# Altium PCB AFE.PcbDoc (part 1 of 2) (continued)
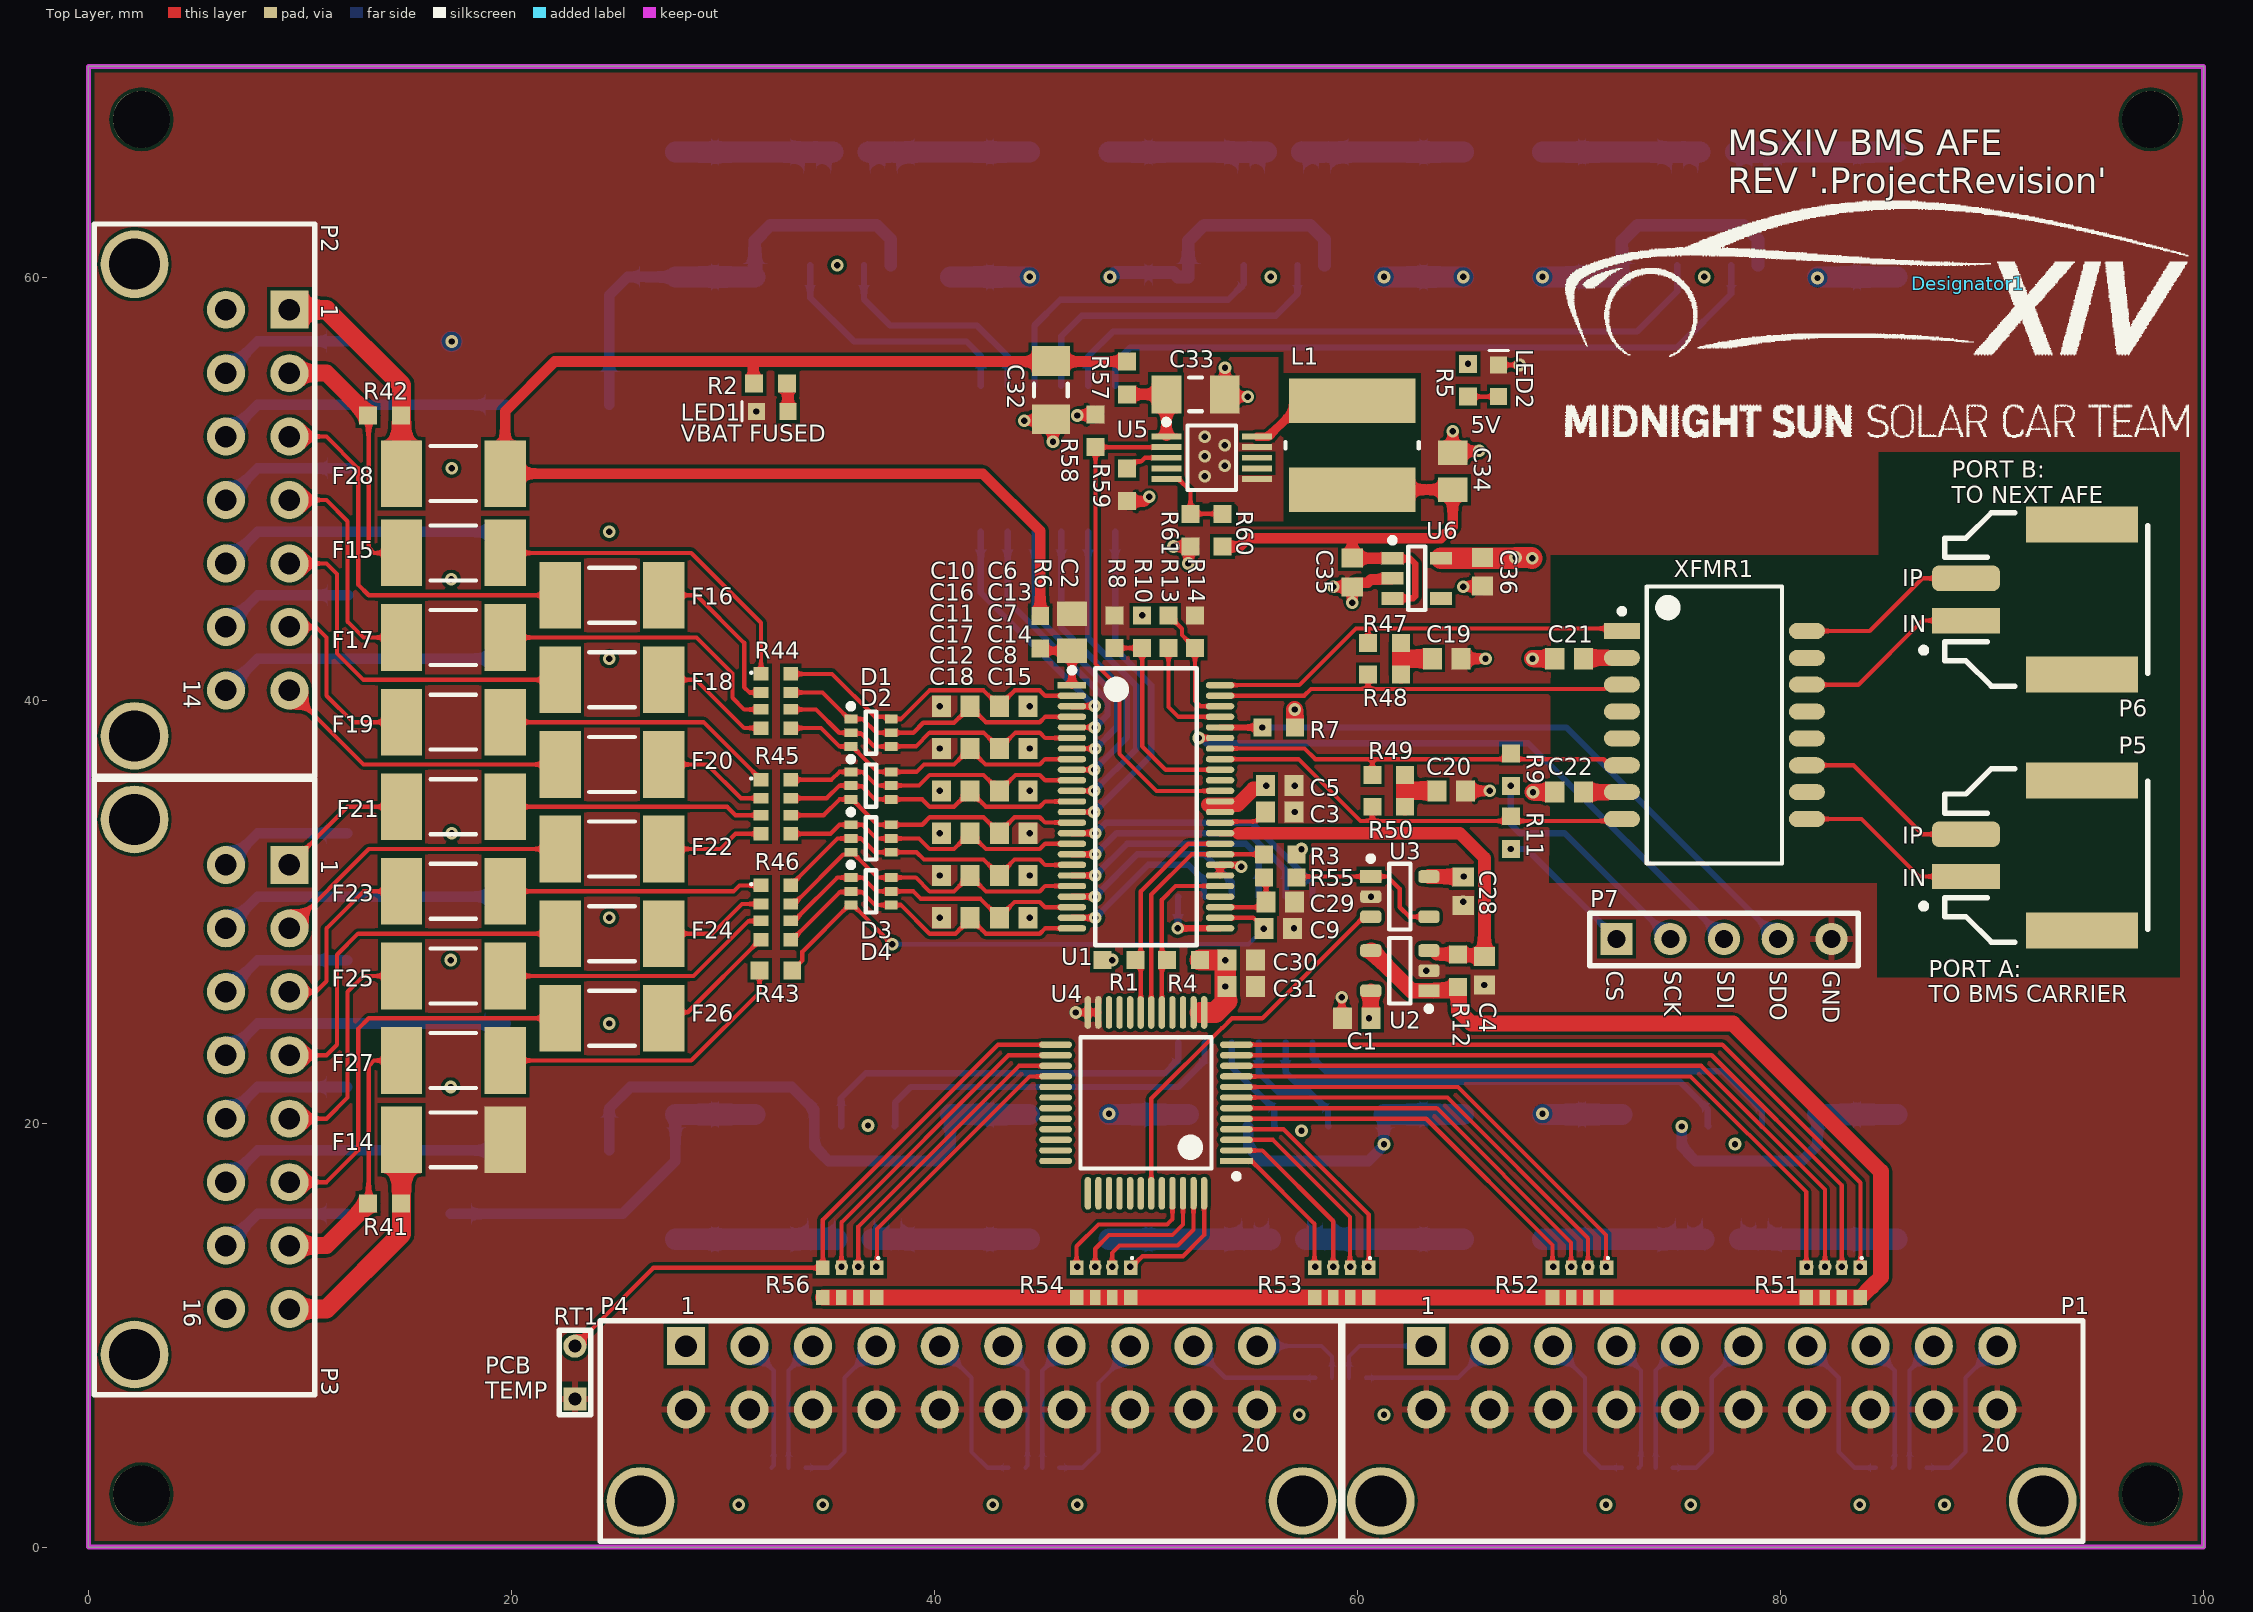
[diagram p0: Top Layer view]
## Components (designator, comment, footprint, x,y, rotation, side; value= is the part's Value field where it differs from the comment) (continued)
R32 "RES 33 OHM 5% 1.5W 2512" "RES STACKPOLE RPC2512 2512" 40.75,17.5 r270 bottom value=33R
R33 "RES 33 OHM 5% 1.5W 2512" "RES STACKPOLE RPC2512 2512" 27.75,17.5 r270 bottom value=33R
R34 "RES 33 OHM 5% 1.5W 2512" "RES STACKPOLE RPC2512 2512" 81.75,17.5 r270 bottom value=33R
R35 "RES 33 OHM 5% 1.5W 2512" "RES STACKPOLE RPC2512 2512" 68.75,17.5 r270 bottom value=33R
R36 "RES 33 OHM 5% 1.5W 2512" "RES STACKPOLE RPC2512 2512" 61.25,17.5 r270 bottom value=33R
R37 "RES 33 OHM 5% 1.5W 2512" "RES STACKPOLE RPC2512 2512" 52,17.5 r270 bottom value=33R
R38 "RES 33 OHM 5% 1.5W 2512" "RES STACKPOLE RPC2512 2512" 44.5,17.5 r270 bottom value=33R
R39 "RES 33 OHM 5% 1.5W 2512" "RES STACKPOLE RPC2512 2512" 31.5,17.5 r270 bottom value=33R
R40 "RES ARRAY 3.3K OHM 2% 16SOIC" SOIC16 59.14,23.85 r90 bottom
R41 "RES 0.0 OHM 1/4W 0603" "RES, 0603" 14,16.25 r0 top
R42 "RES 0.0 OHM 1/4W 0603" "RES, 0603" 14,53.5 r180 top
R43 "RES 100 OHM 1% 1/10W 0603" "RES, 0603" 32.5,27.25 r0 top (schematic designator R46)
R44 "RES ARRAY 100 OHM 0.5% 4RES 1206" "RES ARRAY 4RES 1206" 32.5,40 r0 top (schematic designator R43)
R45 "RES ARRAY 100 OHM 0.5% 4RES 1206" "RES ARRAY 4RES 1206" 32.5,35 r0 top (schematic designator R44)
R46 "RES ARRAY 100 OHM 0.5% 4RES 1206" "RES ARRAY 4RES 1206" 32.5,30 r0 top (schematic designator R45)
R47 "62R" "RES, 0603" 61.275,42.75 r0 top
R48 "62R" "RES, 0603" 61.275,41.25 r180 top
R49 "62R" "RES, 0603" 61.475,36.5 r0 top
R50 "62R" "RES, 0603" 61.475,35 r180 top
R51 "RES ARRAY 10K OHM 0.1% 4RES 1206" "RES ARRAY 4RES 1206" 82.5,12.5 r270 top (schematic designator R56)
R52 "RES ARRAY 10K OHM 0.1% 4RES 1206" "RES ARRAY 4RES 1206" 70.5,12.5 r270 top (schematic designator R57)
R53 "RES ARRAY 10K OHM 0.1% 4RES 1206" "RES ARRAY 4RES 1206" 59.25,12.5 r270 top (schematic designator R58)
R54 "RES ARRAY 10K OHM 0.1% 4RES 1206" "RES ARRAY 4RES 1206" 48,12.5 r270 top (schematic designator R59)
R55 "RES 100 OHM 1% 1/10W 0603" "RES, 0603" 56.352,31.649 r180 top (schematic designator R60)
R56 "RES ARRAY 10K OHM 0.1% 4RES 1206" "RES ARRAY 4RES 1206" 36,12.5 r270 top (schematic designator R61)
R57 "RES 820 OHM 5% 1/4W 0603" "RES, 0603" 49.108,55.275 r270 top (schematic designator R51)
R58 "RES 10K OHM 1% 1/10W 0603" "RES, 0603" 47.608,52.775 r90 top (schematic designator R52)
R59 "RES 191K OHM 1% 1/10W 0603" "RES, 0603" 49.108,50.225 r270 top (schematic designator R53)
R60 "RES 255K OHM 1% 1/10W 0603" "RES, 0603" 53.608,48.075 r270 top (schematic designator R54)
R61 "RES 39.2K OHM 1% 1/10W 0603" "RES, 0603" 52.108,48.075 r270 top (schematic designator R55)
RT1 "10K NTC" "NTC THERMISTOR BEAD" 23,7 r90 top (schematic designator RT?)
U1 "IC MONITOR BATT STACK 48SSOP" SSOP50P780X200-48N 50,35 r0 top
U2 "IC OP AMP GEN PURPOSE RR 5.5MHZ SOT-23-5" "IC OP AMP GP RR 10MHZ SOT-23-5" 62,27.25 r180 top
U3 "IC OP AMP GEN PURPOSE RR 10MHZ SOT-23-5" "IC OP AMP GP RR 10MHZ SOT-23-5" 62,30.75 r0 top (schematic designator U5)
U4 "ADG731BCPZ" TSQFP50P890X890X160-48M 50,21 r180 top (schematic designator U6)
U5 "IC REG BUCK ADJ 0.1A 10UMAX" TSSOP50P490X110-10N 53.108,51.5 r0 top (schematic designator U3)
U6 "IC REG LDO 5V 0.1A SOT23-5" SOT95P280X145-5N 62.8,45.8 r0 top (schematic designator U?)
XFMR1 "IC PULSE XFMR 1CT:1CT 350UH SMD" "IC, PULSE XFMR 1CT:1CT 350UH SMD" 76.875,38.865 r0 top (schematic designator XFMR?)

## Footprints (in the part's own frame and the unit in brackets; to place one, negate y for a bottom-side part, rotate by r counter-clockwise, add the part's x,y. Pads: shape width x height; smd on the part's side, far side on the other; paste and mask are expansions set on the pad)
"CAP ARRAY 4 POS 0612" [mm]
  rect 1.1x0.5 smd: 1(0,0) 2(0,-0.8) 3(0,-1.6) 4(0,-2.4) 5(1.8,-2.4) 6(1.8,-1.6) 7(1.8,-0.8) 8(1.8,0)
  silkscreen extent 0.42,-2.8 1.38,0.4
"CAP, 0603" [mm] "Chip Capacitor, 2-Leads, Body 1.60x0.81mm, IPC Medium Density"
  rect 0.9x1 smd mask+0.076: 1(-0.675,0) 2(0.675,0)
  body extent -0.87,-0.48 0.87,0.48, height 0.9
"CAP, 0805" [mm] "Chip Capacitor, 2-Leads, Body 2.00x1.25mm, IPC Medium Density"
  rect 1.15x1.4 smd: 1(-0.875,0) 2(0.875,0)
  body extent -1,-0.63 1,0.63, height 1.25
"CAP, 1206" [mm] "Chip Capacitor, 2-Leads, Body 3.20x1.60mm, IPC Medium Density"
  rect 1.4x1.8 smd: 1(-1.375,0) 2(1.375,0)
  silkscreen extent -0.3,-0.8 0.3,0.8, body extent -1.68,-0.87 1.67,0.87, height 1.8
"CONN, 2POS Dura-Click" [mm] "WM7169CT-ND"
  rect 1.2x3.2 smd: 1(0,0)
  rrect50% 1.2x3.2 smd: 2(2,0)
  rect 1.7x5.3 smd: ""(-2.55,-5.48) ""(4.55,-5.48)
  silkscreen extent -3.1,-8.6 5.1,2.13, body extent -3,-8.4 5,1, height 6.39
"CONN, 5POS HEADR 0.1\"" [mil]
  rect 60x60 hole 33.46: 1(0,0)
  round 60 hole 33.46: 2(100,0) 3(200,0) 4(300,0) 5(400,0)
  silkscreen extent -50,-50 450,48, body extent -50,-50 450,48, height 335
"CONN, R/A 14POS MICRO-FIT 3mm" [mm]
  round 3.2 hole 2.41: 0(-20.15,7.32) 0(2.15,7.32)
  rect 1.8x1.8 hole 1.02: 1(0,0)
  round 1.8 hole 1.02: 2(-3,0) 3(-6,0) 4(-9,0) 5(-12,0) 6(-15,0) 7(-18,0) 8(0,3) 9(-3,3) 10(-6,3) 11(-9,3) 12(-12,3) 13(-15,3) 14(-18,3)
  silkscreen extent -22.05,-1.2 4.05,9.22, body extent -21.57,-0.29 3.62,11.95, height 8.83
"CONN, R/A 16POS MICRO-FIT 3mm" [mm]
  round 3.2 hole 2.41: 0(-23.15,7.32) 0(2.15,7.32)
  rect 1.8x1.8 hole 1.02: 1(0,0)
  round 1.8 hole 1.02: 2(-3,0) 3(-6,0) 4(-9,0) 5(-12,0) 6(-15,0) 7(-18,0) 8(-21,0) 9(0,3) 10(-3,3) 11(-6,3) 12(-9,3) 13(-12,3) 14(-15,3) 15(-18,3) 16(-21,3)
  silkscreen extent -25.05,-1.2 4.05,9.22, body extent -24.58,-0.29 3.62,11.95, height 8.83
"CONN, R/A 20POS MICRO-FIT 3mm" [mm]
  round 3.2 hole 2.41: 0(-29.15,7.32) 0(2.15,7.32)
  rect 1.8x1.8 hole 1.02: 1(0,0)
  round 1.8 hole 1.02: 2(-3,0) 3(-6,0) 4(-9,0) 5(-12,0) 6(-15,0) 7(-18,0) 8(-21,0) 9(-24,0) 10(-27,0) 11(0,3) 12(-3,3) 13(-6,3) 14(-9,3) 15(-12,3) 16(-15,3) 17(-18,3) 18(-21,3) 19(-24,3) 20(-27,3)
  silkscreen extent -31.05,-1.2 4.05,9.22, body extent -30.57,-0.29 3.63,11.95, height 8.83
"FUSE JFC2410-0500FS" [mm]
  rect 1.96x3.15 smd: 1(-2.45,0) 2(2.45,0)
  silkscreen extent -1.07,-1.3 1.07,1.3
"IC OP AMP GP RR 10MHZ SOT-23-5" [mm] "SOT23, 5-Leads, Body 2.90x2.80mm, Pitch 0.95mm, IPC Medium Density"
  rect 1x0.6 smd: 1(-1.375,0.95)
  rrect50% 1x0.6 smd: 2(-1.375,0) 3(-1.375,-0.95) 4(1.375,-0.95) 5(1.375,0.95)
  silkscreen extent -1.5,-1.55 0.5,1.92, body extent -1.5,-1.53 1.5,1.53, height 1.45
"IC, PULSE XFMR 1CT:1CT 350UH SMD" [mm] "PULSE XFMR 1CT:1CT 350UH SMD"
  rect 1.7x0.76 smd: 1(-4.375,4.445)
  oval 1.7x0.76 smd: 2(-4.375,3.175) 3(-4.375,1.905) 4(-4.375,0.635) 5(-4.375,-0.635) 6(-4.375,-1.905) 7(-4.375,-3.175) 8(-4.375,-4.445) 9(4.375,-4.445) 10(4.375,-3.175) 11(4.375,-1.905) 12(4.375,-0.635) 13(4.375,0.635) 14(4.375,1.905) 15(4.375,3.175) 16(4.375,4.445)
  silkscreen extent -4.5,-6.55 3.2,6.55, body extent -4.65,-6.55 4.65,6.55, height 5.9
INDP6060X23N [mm] "Precision Wire Wound Inductor, 2-Leads, Body 6.00x6.00mm, IPC Medium Density"
  rect 2.1x6 smd: 1(-2.1,0) 2(2.1,0)
  silkscreen extent -0.15,-3.15 0.15,3.15, body extent -3.1,-3 3.1,3, height 2.39
LED_0603 [mm]
  rect 0.8x0.8 smd: 1(-0.05,0.01) 2(1.45,0.01)
  silkscreen extent 2.13,-0.46 2.13,0.45, body extent -0.09,-0.39 1.51,0.41, height 0.8
"MSXIV LOGO" [mm]
  silkscreen extent -19.05,-7.3 10.44,3.89
"NTC THERMISTOR BEAD" [mm] "NTC Thermistor 10k Bead"
  rect 1.1x1.1 hole 0.6: 1(0,0)
  round 1.1 hole 0.6: 2(2.5,0)
  silkscreen extent -0.75,-0.75 3.25,0.75
"RES ARRAY 4RES 1206" [mm] "Chip Array, Flat, 8-Leads, Pitch 0.80mm,  Body 3.20x1.60mm,  IPC Medium Density"
  rect 0.7x0.64 smd: 1(-0.7,1.28) 4(-0.7,-1.28) 5(0.7,-1.28) 8(0.7,1.28)
  rect 0.7x0.5 smd: 2(-0.7,0.4) 3(-0.7,-0.4) 6(0.7,-0.4) 7(0.7,0.4)
  silkscreen extent -1.21,1.29 -1.11,1.39, body extent -0.81,-1.6 0.69,1.6, height 0.45
"RES STACKPOLE RPC2512 2512" [mm] "Chip Resistor, 2-Leads, Body 6.30x3.10mm, IPC Medium Density"
  rect 1.25x3.4 smd: 1(-2.95,0) 2(2.95,0)
  silkscreen extent -1.9,-1.6 1.9,1.6, body extent -3.18,-1.63 3.17,1.63, height 0.65
"RES, 0603" [mm] "Chip Resistor, 2-Leads, Body 1.60x0.80mm, IPC Medium Density"
  rect 0.85x0.85 smd: 1(-0.775,0) 2(0.775,0)
  body extent -0.8,-0.4 0.8,0.4, height 0.55
SOIC8 [mm]
  oval 2.2x0.6 smd: 1(-2.394,1.935) 2(-2.394,0.665) 3(-2.394,-0.605) 4(-2.394,-1.875) 5(2.406,-1.875) 6(2.406,-0.605) 7(2.406,0.665) 8(2.406,1.935)
  silkscreen extent -2.52,-2.47 0.91,2.91, body extent -1.99,-2.47 2.01,2.53, height 1.75
SOIC16 [mm]
  rect 2x0.63 smd: 1(0,0)
  oval 2x0.63 smd: 2(0,-1.27) 3(0,-2.54) 4(0,-3.81) 5(0,-5.08) 6(0,-6.35) 7(0,-7.62) 8(0,-8.89) 9(6.9,-8.89) 10(6.9,-7.62) 11(6.9,-6.35) 12(6.9,-5.08) 13(6.9,-3.81) 14(6.9,-2.54) 15(6.9,-1.27) 16(6.9,0)
  silkscreen extent -0.12,-9.53 5.06,0.97, body extent -0.31,-10.06 7.31,1.12, height 2.18
SOT95P280X145-5N [mm] "SOT23, 5-Leads, Body 2.95x2.80mm, Pitch 0.95mm, IPC Medium Density"
  rect 1.05x0.6 smd: 1(-1.15,0.95) 2(-1.15,0) 3(-1.15,-0.95) 4(1.15,-0.95) 5(1.15,0.95)
  silkscreen extent -1.27,-1.5 0.4,1.92, body extent -1.4,-1.48 1.4,1.48, height 1.45
SOT-363 [mm] "SOT-363, 6-Leads, Body 2.0x1.25mm, Pitch 0.65mm, Lead Span 2.1mm"
  rect 0.6x0.42 smd: 1(-0.95,0.65) 2(-0.95,0) 3(-0.95,-0.65) 4(0.95,-0.65) 5(0.95,0) 6(0.95,0.65)
  silkscreen extent -1.07,-1 0.25,1.37, body extent -0.9,-1.1 0.9,1.1, height 1
SSOP50P780X200-48N [mm] "SSOP, 48-Leads, Body 12.80x5.30mm, Pitch 0.50mm, IPC Medium Density"
  rect 1.35x0.3 smd: 1(-3.5,5.75)
  oval 1.35x0.3 smd: 2(-3.5,5.25) 3(-3.5,4.75) 4(-3.5,4.25) 5(-3.5,3.75) 6(-3.5,3.25) 7(-3.5,2.75) 8(-3.5,2.25) 9(-3.5,1.75) 10(-3.5,1.25) 11(-3.5,0.75) 12(-3.5,0.25) 13(-3.5,-0.25) 14(-3.5,-0.75) 15(-3.5,-1.25) 16(-3.5,-1.75) 17(-3.5,-2.25) 18(-3.5,-2.75) 19(-3.5,-3.25) 20(-3.5,-3.75) 21(-3.5,-4.25) 22(-3.5,-4.75) 23(-3.5,-5.25) 24(-3.5,-5.75) 25(3.5,-5.75) 26(3.5,-5.25) 27(3.5,-4.75) 28(3.5,-4.25) 29(3.5,-3.75) 30(3.5,-3.25) 31(3.5,-2.75) 32(3.5,-2.25) 33(3.5,-1.75) 34(3.5,-1.25) 35(3.5,-0.75) 36(3.5,-0.25) 37(3.5,0.25) 38(3.5,0.75) 39(3.5,1.25) 40(3.5,1.75) 41(3.5,2.25) 42(3.5,2.75) 43(3.5,3.25) 44(3.5,3.75) 45(3.5,4.25) 46(3.5,4.75) 47(3.5,5.25) 48(3.5,5.75)
  silkscreen extent -3.62,-6.55 2.4,6.57, body extent -3.9,-6.55 3.9,6.55, height 2
TSQFP50P890X890X160-48M [mm] "TSQFP, 48-Leads, Body 7.00x7.00mm, Pitch 0.50mm, IPC Low Density"
  rect 1.55x0.3 smd: 1(-4.275,2.75)
  oval 1.55x0.3 smd: 2(-4.275,2.25) 3(-4.275,1.75) 4(-4.275,1.25) 5(-4.275,0.75) 6(-4.275,0.25) 7(-4.275,-0.25) 8(-4.275,-0.75) 9(-4.275,-1.25) 10(-4.275,-1.75) 11(-4.275,-2.25) 12(-4.275,-2.75) 25(4.275,-2.75) 26(4.275,-2.25) 27(4.275,-1.75) 28(4.275,-1.25) 29(4.275,-0.75) 30(4.275,-0.25) 31(4.275,0.25) 32(4.275,0.75) 33(4.275,1.25) 34(4.275,1.75) 35(4.275,2.25) 36(4.275,2.75)
  oval 0.3x1.55 smd: 13(-2.75,-4.275) 14(-2.25,-4.275) 15(-1.75,-4.275) 16(-1.25,-4.275) 17(-0.75,-4.275) 18(-0.25,-4.275) 19(0.25,-4.275) 20(0.75,-4.275) 21(1.25,-4.275) 22(1.75,-4.275) 23(2.25,-4.275) 24(2.75,-4.275) 37(2.75,4.275) 38(2.25,4.275) 39(1.75,4.275) 40(1.25,4.275) 41(0.75,4.275) 42(0.25,4.275) 43(-0.25,4.275) 44(-0.75,4.275) 45(-1.25,4.275) 46(-1.75,4.275) 47(-2.25,4.275) 48(-2.75,4.275)
  silkscreen extent -4.4,-3.1 3.1,3.6, body extent -4.45,-4.45 4.45,4.45, height 1.6
TSSOP50P490X110-10N [mm] "TSSOP, 10-Leads, Body 3.00x3.00mm, Pitch 0.50mm, IPC Medium Density"
  rect 1.4x0.28 smd: 1(-2.14,1) 2(-2.14,0.5) 3(-2.14,0) 4(-2.14,-0.5) 5(-2.14,-1) 6(2.14,-1) 7(2.14,-0.5) 8(2.14,0) 9(2.14,0.5) 10(2.14,1)
  silkscreen extent -2.26,-1.52 1.15,1.81, body extent -2.45,-1.55 2.45,1.55, height 1.1

## Part data
C1 C28 C31: "0.10µF ±10% 50V Ceramic Capacitor X7R 0603 (1608 Metric)", Capacitance=0.1µF, Manufacturer 1="AVX Corporation", Manufacturer Part Number 1=06035C104KAT2A, Operating Temperature="-55°C ~ 125°C", Package / Case="0603 (1608 Metric)", Ratings=-, Supplier Part Number 1=478-5052-1-ND, Temperature Coefficient=X7R, Tolerance=±10%, Voltage=50V, ComponentLink1Description=http://datasheets.avx.com/X7RDielectric.pdf, ComponentLink1URL=http://datasheets.avx.com/X7RDielectric.pdf, Height - Seated (Max)=-, Lead Spacing=-, Lead Style=-, Mounting Type="Surface Mount, MLCC", Packaging="Cut Tape (CT)", Part Status=Active, Size / Dimension="0.063\" L x 0.032\" W (1.60mm x 0.81mm)", Supplier 1=Digi-Key, Thickness (Max)="0.035\" (0.90mm)"
C2: "0.1µF ±10% 100V Ceramic Capacitor X7R 0805 (2012 Metric)", Capacitance=0.1µF, Manufacturer 1="Murata Electronics North America", Manufacturer Part Number 1=GCM21BR72A104KA37L, Operating Temperature="-55°C ~ 125°C", Package / Case="0805 (2012 Metric)", Ratings=AEC-Q200, Supplier Part Number 1=490-4789-1-ND, Temperature Coefficient=X7R, Tolerance=±10%, Voltage=100V, ComponentLink1Description=http://www.murata.com/~/media/webrenewal/support/library/catalog/products/capacitor/mlcc/c03e.ashx, ComponentLink1URL=http://www.murata.com/~/media/webrenewal/support/library/catalog/products/capacitor/mlcc/c03e.ashx, Height - Seated (Max)=-, Lead Spacing=-, Lead Style=-, Mounting Type="Surface Mount, MLCC", Packaging="Cut Tape (CT)", Part Status=Active, Size / Dimension="0.079\" L x 0.049\" W (2.00mm x 1.25mm)", Supplier 1=Digi-Key, Thickness (Max)="0.055\" (1.40mm)"
C3 C4 C5 C30 C35: "1µF ±10% 50V Ceramic Capacitor X7R 0603 (1608 Metric)", Capacitance=1µF, Manufacturer 1="Taiyo Yuden", Manufacturer Part Number 1=UMK107AB7105KA-T, Operating Temperature="-55°C ~ 125°C", Package / Case="0603 (1608 Metric)", Ratings=-, Supplier Part Number 1=587-3247-1-ND, Temperature Coefficient=X7R, Tolerance=±10%, Voltage=50V, ComponentLink1Description=http://www.yuden.co.jp/productdata/catalog/en/mlcc_all_e.pdf, ComponentLink1URL=http://www.yuden.co.jp/productdata/catalog/en/mlcc_all_e.pdf, Height - Seated (Max)=-, Lead Spacing=-, Lead Style=-, Mounting Type="Surface Mount, MLCC", Packaging="Cut Tape (CT)", Part Status=Active, Size / Dimension="0.063\" L x 0.031\" W (1.60mm x 0.80mm)", Supplier 1=Digi-Key, Thickness (Max)="0.037\" (0.95mm)"
C6 C7 C8 C9 C10 C11 C12 C13 C14 C15 C16 C17 C18 C19 C20 C21 C22 C29: "10000pF ±5% 50V Ceramic Capacitor U2J 0603 (1608 Metric)", Capacitance=10000pF, Manufacturer 1=KEMET, Manufacturer Part Number 1=C0603C103J5JAC7867, Operating Temperature="-55°C ~ 125°C", Package / Case="0603 (1608 Metric)", Ratings=-, Supplier Part Number 1=399-13384-1-ND, Temperature Coefficient=U2J, Tolerance=±5%, Voltage=50V, ComponentLink1Description=http://www.kemet.com/docfinder?Partnumber=C0603C103J5JAC7867, ComponentLink1URL=http://www.kemet.com/docfinder?Partnumber=C0603C103J5JAC7867, Failure Rate=-, Height - Seated (Max)=-, Lead Spacing=-, Lead Style=-, Mounting Type="Surface Mount, MLCC", Packaging="Cut Tape (CT)", Part Status=Active, Size / Dimension="0.063\" L x 0.032\" W (1.60mm x 0.80mm)", Supplier 1=Digi-Key, Thickness (Max)="0.034\" (0.87mm)"
C23 C24 C25 C26 C27: "10000pF Isolated Capacitor  Array 50V X7R 0612 (1632 Metric)", Capacitance=10nF, Case/Package=0612, Case Code (Metric)=1632, Dielectric=X7R, Dielectric Material=Ceramic, Manufacturer=Yageo, Manufacturer Part Number=CA0612KRX7R9BB103, Max Operating Temperature=125°C, Min Operating Temperature=-55°C, Number of Capacitors=4, Package Quantity=4000, Supplier Part Number 1=311-2074-1-ND, Tolerance=10%, Voltage Rating=50V, Case Code (Imperial)=0612, Circuit Type=Isolated, ComponentLink1Description=https://datasheet.ciiva.com/129/upy-4c-array-16v-to-50v-3-129442.pdf?src-supplier=Digi-Key, ComponentLink1URL=https://datasheet.ciiva.com/129/upy-4c-array-16v-to-50v-3-129442.pdf?src-supplier=Digi-Key, ComponentLink2Description=https://datasheet.ciiva.com/16747/ca0508jrnpo9bn150-16747477.pdf?src-supplier=Future+Electronics, ComponentLink2URL=https://datasheet.ciiva.com/16747/ca0508jrnpo9bn150-16747477.pdf?src-supplier=Future+Electronics, ComponentLink3Description=https://datasheet.ciiva.com/15189/getdatasheetpartid-371163-15189099.pdf?src-supplier=Verical, ComponentLink3URL=https://datasheet.ciiva.com/15189/getdatasheetpartid-371163-15189099.pdf?src-supplier=Verical, Composition=Ceramic, Depth=1.6mm, Height=0.8mm, Height - Seated (Max)=0.035inch, Lead Free="Lead Free", Length=3.2mm, Mount="Surface Mount", Number of Terminals=8, Packaging="Tape and Reel", Pricing 1="1=0.41000, 10=0.28300, 100=0.16970, 500=0.12728, 1000=0.10749 (USD)", Radiation Hardening=No, RoHS=Yes, Stock 1=4330, Supplier 1=Digi-Key, Terminal Pitch=0.8mm, Termination=SMD/SMT, Voltage Rating (DC)=50V, Width=0.063inch
C32 C33: "2.2µF ±20% 100V Ceramic Capacitor X7R 1206 (3216 Metric)", Capacitance=2.2µF, Manufacturer 1="Murata Electronics North America", Manufacturer Part Number 1=GRM31CR72A225MA73L, Operating Temperature="-55°C ~ 125°C", Package / Case="1206 (3216 Metric)", Ratings=-, Supplier Part Number 1=490-12773-1-ND, Temperature Coefficient=X7R, Tolerance=±20%, Voltage=100V, ComponentLink1Description=http://www.murata.com/~/media/webrenewal/support/library/catalog/products/capacitor/mlcc/c02e.ashx, ComponentLink1URL=http://www.murata.com/~/media/webrenewal/support/library/catalog/products/capacitor/mlcc/c02e.ashx, Height - Seated (Max)=-, Lead Spacing=-, Lead Style=-, Mounting Type="Surface Mount, MLCC", Packaging="Cut Tape (CT)", Part Status=Active, Size / Dimension="0.126\" L x 0.063\" W (3.20mm x 1.60mm)", Supplier 1=Digi-Key, Thickness (Max)="0.071\" (1.80mm)"
C34: "10µF ±10% 25V Ceramic Capacitor X5R 0805 (2012 Metric)", Capacitance=10µF, Manufacturer="Murata Electronics North America", Manufacturer Part Number=GRM21BR61E106KA73L, Operating Temperature="-55°C ~ 85°C", Package / Case="0805 (2012 Metric)", Ratings=-, Supplier Part Number 1=490-5523-1-ND, Temperature Coefficient=X5R, Tolerance=±10%, Voltage - Rated=25V, Applications="General Purpose", Category=Capacitors, ComponentLink1Description=http://search.murata.co.jp/Ceramy/image/img/A01X/G101/ENG/GRM21BR61E106KA73-01.pdf, ComponentLink1URL=http://search.murata.co.jp/Ceramy/image/img/A01X/G101/ENG/GRM21BR61E106KA73-01.pdf, Features=-, Height - Seated (Max)=-, Lead Spacing=-, Lead Style=-, Mounting Type="Surface Mount, MLCC", Packaging="Cut Tape (CT)", Part Status=Active, Pricing 1="1=0.3, 10=0.214, 100=0.1008, 500=0.07068, 1000=0.05851 (CAD)", RoHS="RoHS Compliant", Size / Dimension="0.079\" L x 0.049\" W (2.00mm x 1.25mm)", Stock 1=1695157, Supplier 1=Digi-Key, Thickness (Max)="0.053\" (1.35mm)"
C36: "2.2µF ±10% 25V Ceramic Capacitor X5R 0603 (1608 Metric)", Capacitance=2.2µF, Manufacturer 1="Murata Electronics North America", Manufacturer Part Number 1=GRM188R61E225KA12D, Operating Temperature="-55°C ~ 85°C", Package / Case="0603 (1608 Metric)", Ratings=-, Supplier Part Number 1=490-10731-1-ND, Temperature Coefficient=X5R, Tolerance=±10%, Voltage=25V, ComponentLink1Description=http://www.murata.com/~/media/webrenewal/support/library/catalog/products/capacitor/mlcc/c02e.ashx, ComponentLink1URL=http://www.murata.com/~/media/webrenewal/support/library/catalog/products/capacitor/mlcc/c02e.ashx, Height - Seated (Max)=-, Lead Spacing=-, Lead Style=-, Mounting Type="Surface Mount, MLCC", Packaging="Cut Tape (CT)", Part Status=Active, Size / Dimension="0.063\" L x 0.031\" W (1.60mm x 0.80mm)", Supplier 1=Digi-Key, Thickness (Max)="0.035\" (0.90mm)"
D1 D2 D3 D4: library part "DIODE ZENER ARRAY 5.6V SOT363", "Zener Diode Array 3 Independent 5.6V 200mW ±6% SOT-363", Case/Package=SOT-363, Forward Voltage=900mV, Manufacturer=Diodes, Manufacturer Part Number=BZX84C5V6TS-7-F, Max Operating Temperature=150°C, Max Power Dissipation=200mW, Max Reverse Leakage Current=1uA, Min Operating Temperature=-65°C, Package Quantity=3000, Supplier Part Number 1=BZX84C5V6TS-FDICT-ND, Test Current=5mA, Tolerance=6%, Voltage Tolerance=7.14%, ComponentLink1Description=https://datasheet.ciiva.com/10642/ds30187-10642567.pdf?src-supplier=Avnet, ComponentLink1URL=https://datasheet.ciiva.com/10642/ds30187-10642567.pdf?src-supplier=Avnet, ComponentLink2Description=https://datasheet.ciiva.com/17267/ds30187-17267470.pdf?src-supplier=Avnet+Europe, ComponentLink2URL=https://datasheet.ciiva.com/17267/ds30187-17267470.pdf?src-supplier=Avnet+Europe, Contact Plating=Tin,Matte, ESD Protection=No, Height=1mm, Impedance=40R, Lead Free="Lead Free", Length=2.2mm, Mount="Surface Mount", Number of Pins=6, Packaging="Tape and Reel", Peak Reverse Current=1uA, Power Dissipation=200mW, Power Rating=200mW, Pricing 1="1=0.42000, 10=0.31700, 100=0.15080, 500=0.13364, 1000=0.10400 (USD)", RoHS=Yes, Stock 1=3211, Supplier 1=Digi-Key, Voltage Rating (DC)=5.6V, Weight=0.000212oz, Width=2.2mm, Zener Current=1uA, Zener Voltage=5.6V
F1 F2 F3 F4 F5 F6 F7 F8 F9 F10 F11 F12 F13 F14 F15 F16 F17 F18 F19 F20 F21 F22 F23 F24 F25 F26 F27 F28: library part "FUSE 500MA LCSC", "2410 Surface Mount Fuses RoHS", Manufacturer 1="Shenzen JDT Fuse", Manufacturer Part Number 1=JFC2410-0500FS, Supplier Part Number 1=C136360, ComponentLink1Description="Shenzhen JDT Fuse", ComponentLink1URL=https://datasheet.lcsc.com/szlcsc/1809211424_Shenzhen-JDT-Fuse-JFC2410-0500FS_C136360.pdf, Pricing 1=1=0.0591USD, Supplier 1=LCSC
L1: "220µH Shielded Inductor 590mA 834 mOhm Nonstandard", Current - Saturation=700mA, Current Rating=590mA, DC Resistance (DCR)="834 mOhm", Frequency - Self Resonant=3.5MHz, Inductance=220µH, Manufacturer 1="Laird-Signal Integrity Products", Manufacturer Part Number 1=TYS6045221M-10, Operating Temperature="-40°C ~ 125°C", Package / Case=Nonstandard, Q @ Freq=-, Ratings=AEC-Q200, Supplier Part Number 1=240-2742-1-ND, Tolerance=±20%, ComponentLink1Description=http://assets.lairdtech.com/home/brandworld/files/TYS6045221M-10.pdf, ComponentLink1URL=http://assets.lairdtech.com/home/brandworld/files/TYS6045221M-10.pdf, Height - Seated (Max)="0.185\" (4.70mm)", Material - Core=-, Mounting Type="Surface Mount", Packaging="Cut Tape (CT)", Part Status=Active, Shielding=Shielded, Size / Dimension="0.236\" L x 0.236\" W (6.00mm x 6.00mm)", Supplier 1=Digi-Key, Supplier Device Package=-, Type=-